# KiCad board SJ-201-R10.kicad_pcb
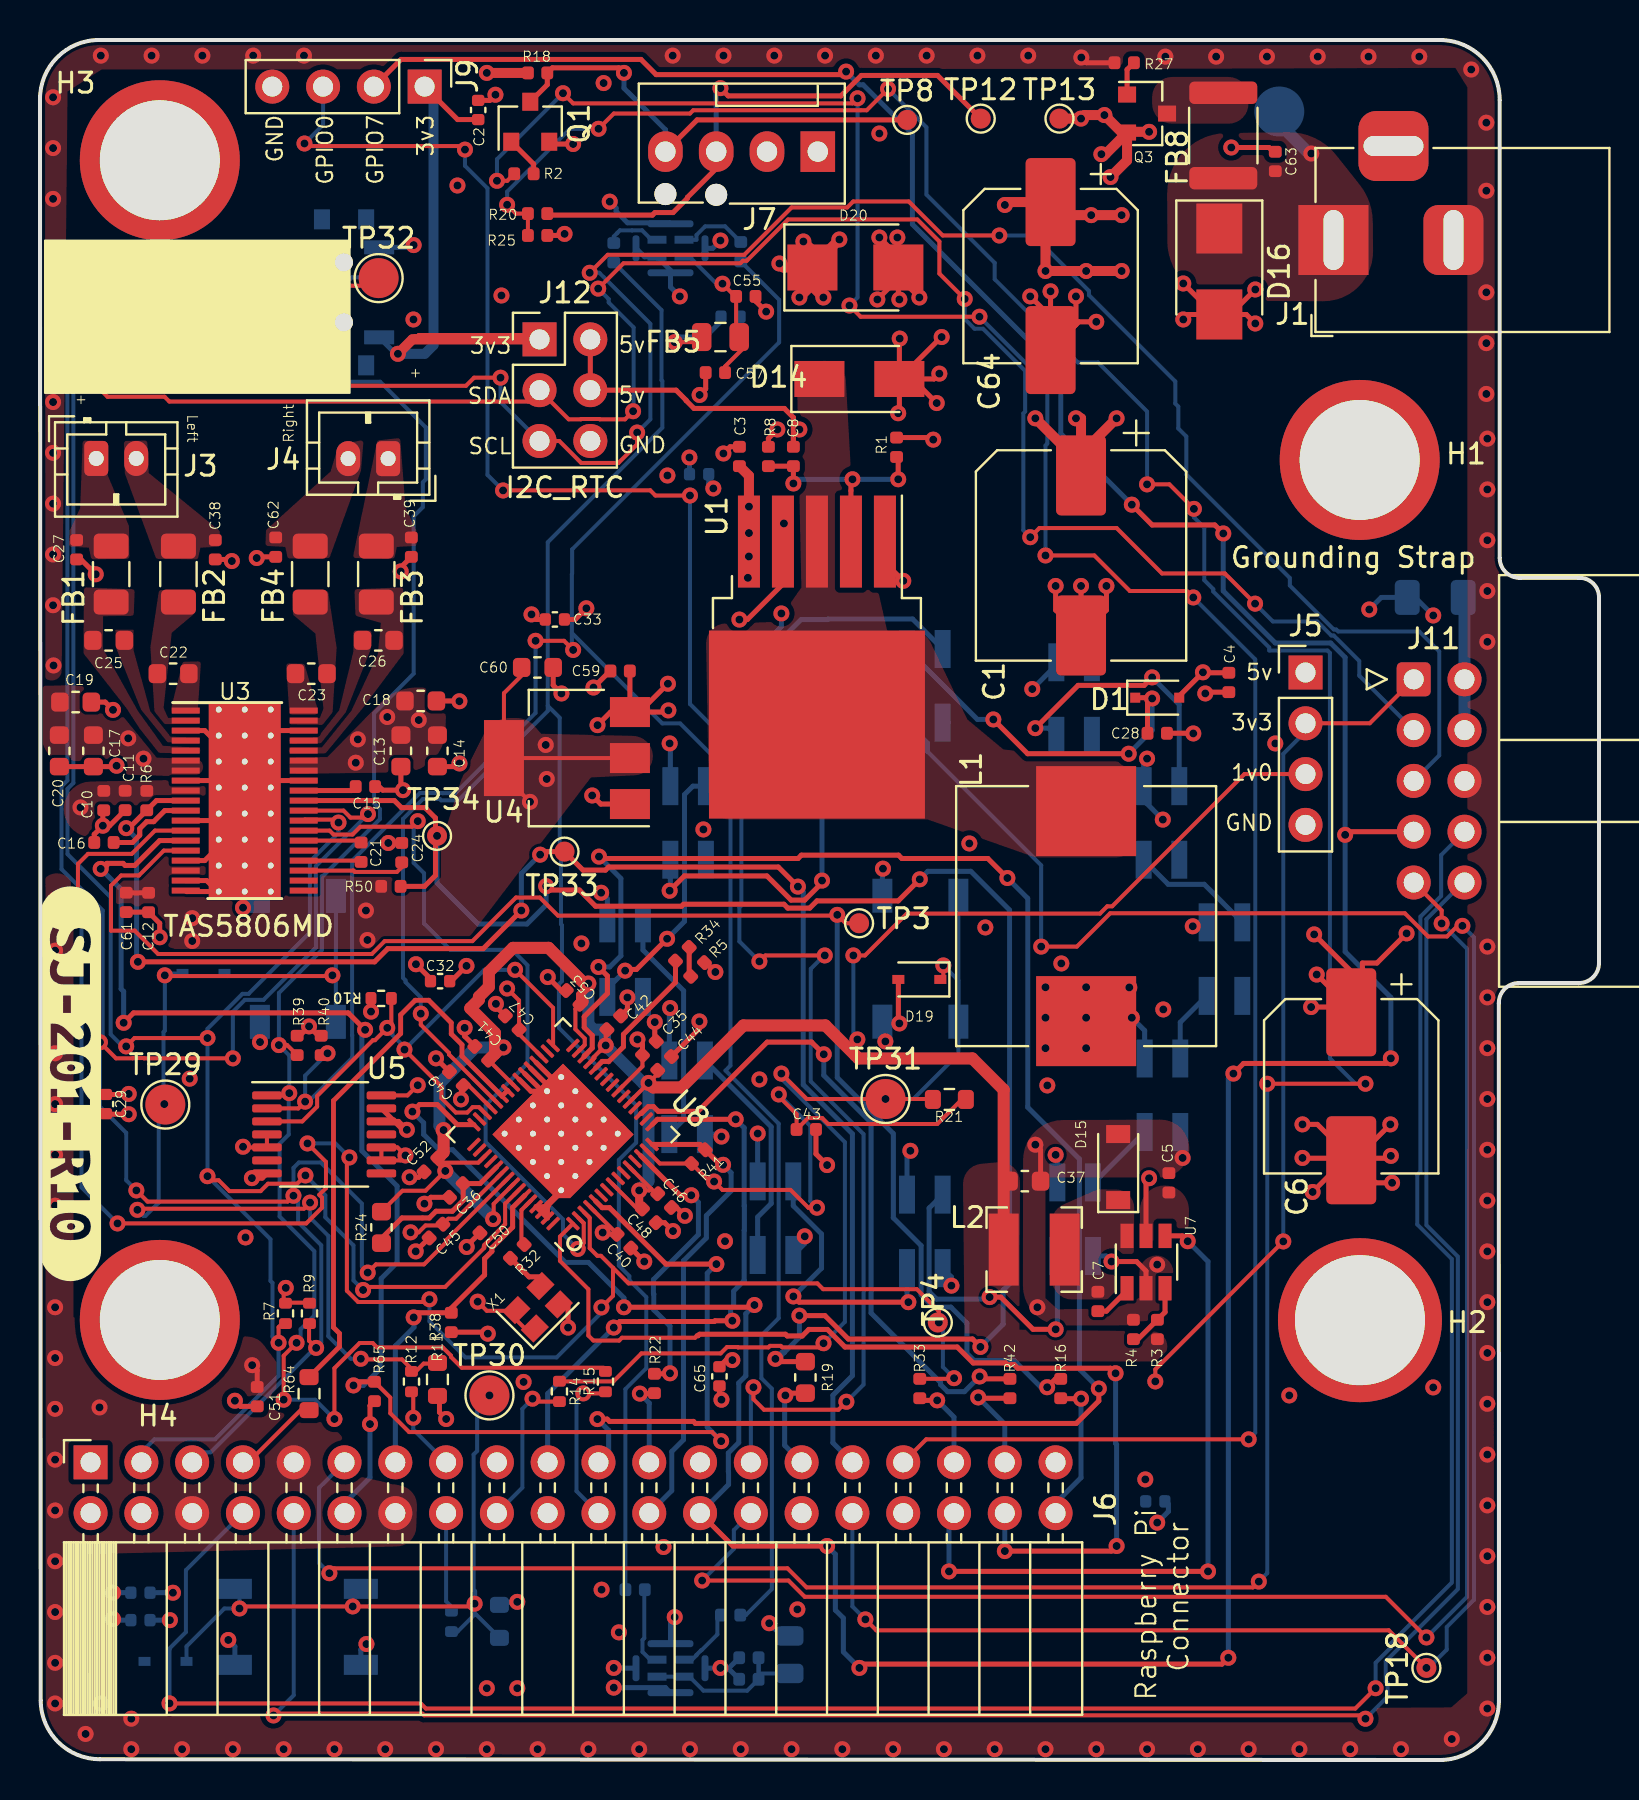
[diagram p0: board, top side]
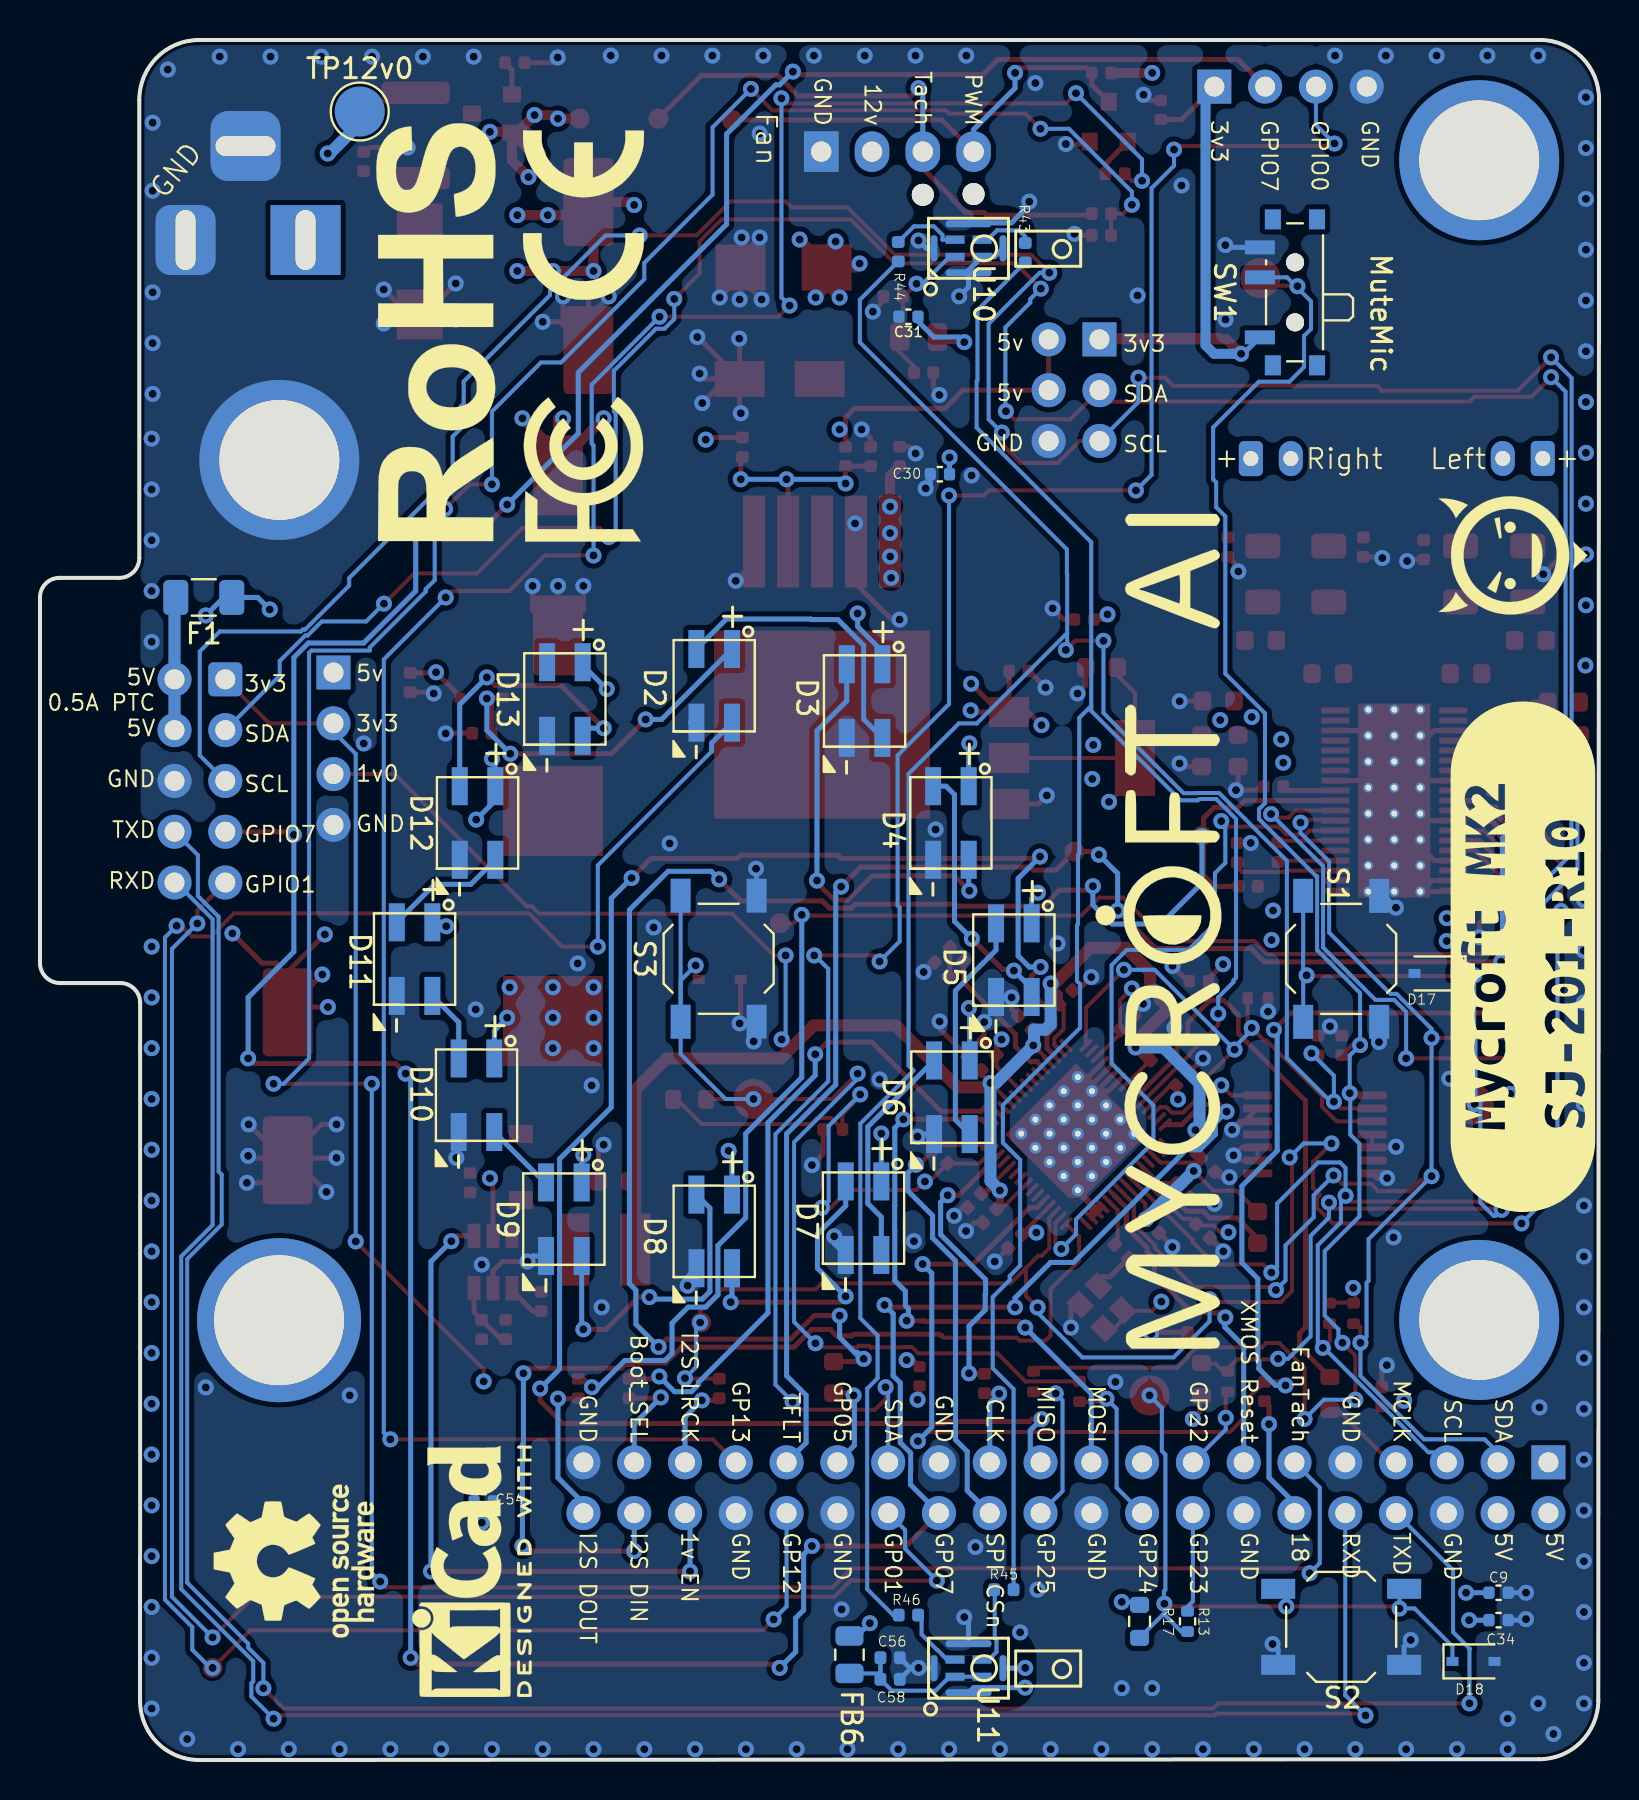
[diagram p1: board, bottom side, seen from below]

Outline 77.97 x 86.01 mm; copper layers: Top, In1.Cu (plane), In2.Cu (plane), Bottom. Coordinates in mm from the lower left corner of the outline.
Outline path: 0,83.04 0.04,2.97 arc(0.92,0.89) 3.01,0.04 70,0 arc(72.09,0.86) 72.96,2.94 72.96,37.85 arc(73.25,38.56) 73.96,38.85 76.96,38.85 arc(77.67,39.14) 77.97,39.85 77.97,58.16 arc(77.66,58.85) 76.96,59.11 74,59.11 arc(73.29,59.4) 73,60.11 73,83 arc(72.14,85.12) 70.02,86.01 2.94,86.01 arc(0.85,85.13) 0,83.04
Stack: Top 0.035mm / dielectric 0.48mm FR4 er 4.5 / In1.Cu 0.035mm / dielectric 0.48mm FR4 er 4.5 / In2.Cu 0.035mm / dielectric 0.48mm FR4 er 4.5 / Bottom 0.035mm

## Placement (name value [footprint] x y rotation side)
C1  220uF/50V  [CP_Elec_10x10]  52.06 60.23 270 top
C2  100NF  [C_0402_1005Metric]  21.91 82.51 90 top
C3  1uF  [C_0402_1005Metric]  34.98 65.18 90 top
C4  1uF  [C_0402_1005Metric]  59.46 53.88 270 top
C5  10UF  [C_0402_1005Metric]  56.46 28.86 270 top
C6  330uF/25V  [CP_Elec_8x10.5]  65.58 33.69 270 top
C7  10nF  [C_0402_1005Metric]  52.91 22.93 270 top
C8  33NF  [C_0402_1005Metric]  37.68 65.18 270 top
C9  100NF  [C_0402_1005Metric]  5.02 8.36 180 bottom
C10  4.7UF  [C_0402_1005Metric]  3.19 47.97 270 top
C11  100NF  [C_0402_1005Metric]  4.26 47.98 270 top
C12  100NF  [C_0402_1005Metric]  5.43 42.88 270 top
C13  22UF  [C_0603_1608Metric]  18.05 50.46 270 top
C14  22UF  [C_0603_1608Metric]  19.87 50.46 270 top
C15  1uF  [C_0402_1005Metric]  16.28 48.67 180 top
C16  1uF  [C_0402_1005Metric]  3.2 45.88 0 top
C17  100NF  [C_0603_1608Metric]  2.67 50.46 270 top
C18  100NF  [C_0603_1608Metric]  19.04 52.96 0 top
C19  22UF  [C_0603_1608Metric]  1.78 52.9 0 top
C20  22UF  [C_0603_1608Metric]  0.97 50.46 270 top
C21  1uF  [C_0402_1005Metric]  16.06 45.39 90 top
C22  220nF  [C_0603_1608Metric]  6.66 54.32 180 top
C23  220nF  [C_0603_1608Metric]  13.57 54.32 0 top
C24  1uF  [C_0402_1005Metric]  18.09 45.37 90 top
C25  220nF  [C_0603_1608Metric]  3.43 55.99 180 top
C26  220nF  [C_0603_1608Metric]  16.92 55.99 0 top
C27  1NF  [C_0402_1005Metric]  1.83 60.52 270 top
C28  100NF  [C_0402_1005Metric]  55.87 51.34 0 top
C29  100NF  [C_0402_1005Metric]  3.3 32.8 270 top
C30  100NF  [C_0402_1005Metric]  32.96 64.29 0 bottom
C31  100NF  [C_0402_1005Metric]  34.54 72.17 0 bottom
C32  100NF  [C_0402_1005Metric]  20.01 38.95 0 top
C33  100NF  [C_0402_1005Metric]  25.75 57.03 0 top
C34  1uF  [C_0402_1005Metric]  5.02 6.99 180 bottom
C35  100NF  [C_0402_1005Metric]  30.47 35.59 45 top
C36  100NF  [C_0402_1005Metric]  20.82 28.48 225 top
C37  22UF  [C_0603_1608Metric]  49.25 28.95 0 top
C38  1NF  [C_0402_1005Metric]  8.77 60.52 270 top
C39  1NF  [C_0402_1005Metric]  18.57 60.65 270 top
C40  100NF  [C_0402_1005Metric]  29.2 25.94 315 top
C41  100NF  [C_0402_1005Metric]  22.09 35.34 135 top
C42  100NF  [C_0402_1005Metric]  28.7 36.86 45 top
C43  100NF  [C_0402_1005Metric]  38.32 31.53 0 top
C44  100NF  [C_0402_1005Metric]  31.24 34.83 45 top
C45  100NF  [C_0402_1005Metric]  19.81 26.45 225 top
C46  100NF  [C_0402_1005Metric]  31.24 27.97 315 top
C47  100NF  [C_0402_1005Metric]  23.62 36.86 135 top
C48  100NF  [C_0402_1005Metric]  30.47 27.21 315 top
C49  100NF  [C_0402_1005Metric]  20.82 34.07 135 top
C50  100NF  [C_0402_1005Metric]  22.35 26.7 225 top
C51  100NF  [C_0402_1005Metric]  10.86 18.17 90 top
C52  100NF  [C_0402_1005Metric]  19.55 29.75 225 top
C53  100NF  [C_0402_1005Metric]  26.66 38.13 135 top
C54  100NF  [C_0402_1005Metric]  55.78 12.93 180 bottom
C55  1uF  [C_0402_1005Metric]  35.3 73.18 0 top
C56  1uF  [C_0402_1005Metric]  35.45 5.11 180 bottom
C57  100NF  [C_0402_1005Metric]  33.78 69.37 180 top
C58  100NF  [C_0402_1005Metric]  35.45 4.04 180 bottom
C59  10UF  [C_0402_1005Metric]  29.01 54.45 180 top
C60  22UF  [C_0603_1608Metric]  24.88 54.63 0 top
C61  1uF  [C_0402_1005Metric]  4.31 42.88 270 top
C62  1NF  [C_0402_1005Metric]  11.79 60.65 270 top
C63  100NF  [C_0402_1005Metric]  61.78 79.93 90 top
C64  470UF/16V  [CP_Elec_8x10.5]  50.54 74.2 270 top
C65  100NF  [C_0402_1005Metric]  33.98 19.18 270 top
D1  250mA/100V  [D_SOD-323F]  55.87 53.12 0 top
D2  WS2812B  [LED_WS2812_Mini_3.5x3.5mm_P1.1mm]  44.25 53.71 90 bottom
D3  WS2812B  [LED_WS2812_Mini_3.5x3.5mm_P1.1mm]  36.73 52.95 90 bottom
D4  WS2812B  [LED_WS2812_Mini_3.5x3.5mm_P1.1mm]  32.41 46.85 90 bottom
D5  WS2812B  [LED_WS2812_Mini_3.5x3.5mm_P1.1mm]  29.26 40 90 bottom
D6  WS2812B  [LED_WS2812_Mini_3.5x3.5mm_P1.1mm]  32.36 33.14 90 bottom
D7  WS2812B  [LED_WS2812_Mini_3.5x3.5mm_P1.1mm]  36.78 27.09 90 bottom
D8  WS2812B  [LED_WS2812_Mini_3.5x3.5mm_P1.1mm]  44.25 26.43 90 bottom
D9  WS2812B  [LED_WS2812_Mini_3.5x3.5mm_P1.1mm]  51.77 27.04 90 bottom
D10  WS2812B  [LED_WS2812_Mini_3.5x3.5mm_P1.1mm]  56.14 33.24 90 bottom
D11  WS2812B  [LED_WS2812_Mini_3.5x3.5mm_P1.1mm]  59.24 40.05 90 bottom
D12  WS2812B  [LED_WS2812_Mini_3.5x3.5mm_P1.1mm]  56.09 46.85 90 bottom
D13  WS2812B  [LED_WS2812_Mini_3.5x3.5mm_P1.1mm]  51.72 53.05 90 bottom
D14  D_Schottky  [D_SMA]  40.98 69.06 0 top
D15  D_Schottky  [D_SOD-123]  53.92 29.65 90 top
D16  TVS  [D_SMB]  58.98 74.43 270 top
D17  TVS  [D_SOD-323]  8.18 39.33 0 bottom
D18  TVS  [D_SOD-323]  6.28 4.93 180 bottom
D19  TVS  [D_SOD-323]  43.98 39.03 180 top
D20  TVS  [D_SMB]  40.78 74.63 0 top
F1  0.5A Hold, 1A Trip  [Fuse_1206_3216Metric]  69.78 58.13 0 bottom
FB1  FB  [R_1206_3216Metric]  3.56 59.3 270 top
FB2  FB  [R_1206_3216Metric]  6.92 59.3 270 top
FB3  FB  [R_1206_3216Metric]  16.82 59.3 270 top
FB4  FB  [R_1206_3216Metric]  13.52 59.3 270 top
FB5  1000R  [R_0805_2012Metric]  34.03 71.15 180 top
FB6  1000R  [R_0805_2012Metric]  37.48 5.27 90 bottom
FB8  4A 28mΩ  [R_1812_4532Metric]  59.18 81.23 90 top
H1  MountingHole  [MountingHole_6.0mm_Pad]  66 65.01 0 top
H2  MountingHole  [MountingHole_6.5mm_Pad]  66.01 21.99 0 top
H3  MountingHole  [MountingHole_6.0mm_Pad]  5.99 79.99 0 top
H4  MountingHole  [MountingHole_6.0mm_Pad]  5.99 22 0 top
H6  MountingHole  [simon-jestor-logo]  4.31 60.23 90 bottom
H7  MountingHole  [mycroft_logo_words]  21.84 41.69 90 bottom
H8  FCC  [FCC-Logo_7.3x6mm_SilkScreen]  50.79 64.55 90 bottom
H9  RoHS  [RoHS-Logo_6mm_SilkScreen]  58.18 71.41 90 bottom
H10  CE  [CE-Logo_8.5x6mm_SilkScreen]  50.79 77.25 90 bottom
H11  KiCAD  [KiCad-Logo2_5mm_SilkScreen]  56.38 9.43 90 bottom
J1  Barrel_Jack  [BarrelJack_Horizontal]  64.69 76 180 top
J3  SPK  [JST_PH_B2B-PH-K_1x02_P2.00mm_Vertical]  2.81 65.08 0 top
J4  SPK  [JST_PH_B2B-PH-K_1x02_P2.00mm_Vertical]  17.41 65.07 180 top
J5  PowerTP  [PinHeader_1x04_P2.54mm_Vertical]  63.29 54.38 0 top
J6  Raspberry_Pi_4  [PinSocket_2x20_P2.54mm_Horizontal]  2.53 14.88 90 top
J7  FanConnector  [FanPinHeader_1x04_P2.54mm_Vertical]  38.9 80.42 180 top
J9  Conn_01x04  [PinHeader_1x04_P2.54mm_Vertical]  19.24 83.68 270 top
J11  I2C  [IDC-Header_2x05_P2.54mm_Horizontal]  68.7 54.04 0 top
J12  I2C_RTC  [PinHeader_2x03_P2.54mm_Vertical]  24.98 71.04 0 top
kibuzzard-62E2EA28  G***  [kibuzzard-62E2EA28]  3.8 40.16 90 bottom
kibuzzard-62E2EE22  G***  [kibuzzard-62E2EE22]  1.52 33.81 270 top
L1  47uH  [L_Wuerth_HCI-1365]  52.32 42.2 270 top
L2  2.7uH ±30% 2.35A  [L_Bourns-SRN4018]  49.72 25.52 180 top
OpenHardware1  Logo_Open_Hardware_Small  [OSHW-Logo_7.5x8mm_SilkScreen]  65.27 9.94 90 bottom
Q1  MMBT3904  [SOT-23]  24.52 81.92 90 top
Q3  WST4041  [SOT-23]  55.37 82.33 0 top
R1  10k  [R_0402_1005Metric]  42.84 65.64 270 top
R2  4.7k  [R_0402_1005Metric]  24.2 79.31 180 top
R3  47k  [R_0402_1005Metric]  55.88 21.53 90 top
R4  200k  [R_0402_1005Metric]  54.68 21.53 270 top
R5  10R  [R_0402_1005Metric]  32.89 39.53 45 top
R6  120k  [R_0402_1005Metric]  5.34 47.97 270 top
R7  3.3K  [R_0402_1005Metric#2]  12.28 22.33 90 top
R8  3.3K  [R_0402_1005Metric]  36.43 65.18 270 top
R9  3.3K  [R_0402_1005Metric#2]  13.48 22.33 90 top
R10  47k  [R_0402_1005Metric#2]  17.06 38.08 180 top
R11  470R  [R_0603_1608Metric#2]  19.88 19.03 90 top
R12  3.3K  [R_0402_1005Metric#2]  18.58 18.92 90 top
R13  3.3K  [R_0402_1005Metric#2]  20.58 6.93 270 bottom
R14  3.3K  [R_0402_1005Metric#2]  25.98 18.43 90 top
R15  3.3K  [R_0402_1005Metric#2]  28.28 18.92 90 top
R16  33R  [R_0402_1005Metric]  51.05 18.57 90 top
R17  470R  [R_0603_1608Metric#2]  22.98 6.93 270 bottom
R18  4.7k  [R_0402_1005Metric]  24.89 84.36 0 top
R19  470R  [R_0603_1608Metric]  38.28 19.13 270 top
R20  27k  [R_0402_1005Metric]  24.89 77.32 0 top
R21  470R  [R_0603_1608Metric#2]  45.48 33.03 180 top
R22  330R  [R_0402_1005Metric]  30.73 18.83 270 top
R24  4R7  [R_0603_1608Metric]  17.08 26.63 90 top
R25  10k  [R_0402_1005Metric]  24.89 76.23 0 top
R27  100k  [R_0402_1005Metric]  54.22 84.87 180 top
R32  33R  [R_0402_1005Metric]  23.87 25.43 225 top
R33  33R  [R_0402_1005Metric]  44 18.57 90 top
R34  33R  [R_0402_1005Metric]  32.12 40.29 45 top
R38  10k  [R_0402_1005Metric]  20.57 21.88 270 top
R39  10k  [R_0402_1005Metric]  12.86 35.73 90 top
R40  47K  [R_0402_1005Metric]  14.06 35.73 270 top
R41  4.7k  [R_0402_1005Metric]  32.92 30.17 225 top
R42  4.7k  [R_0402_1005Metric]  48.51 18.57 270 top
R43  100R  [R_0402_1005Metric]  28.7 75.37 90 bottom
R44  100R  [R_0402_1005Metric]  35.05 75.42 90 bottom
R45  100R  [R_0402_1005Metric]  29.76 8.52 0 bottom
R46  100R  [R_0402_1005Metric]  34.54 7.25 180 bottom
R50  10k  [R_0402_1005Metric]  17.55 43.69 0 top
R64  470R  [R_0603_1608Metric#2]  13.46 18.32 270 top
R65  33R  [R_0402_1005Metric]  16.73 18.43 90 top
S1  Button  [SW_SPST_TL3342]  12.9 40.06 90 bottom
S2  Button  [SW_SPST_TL3342]  12.9 6.66 180 bottom
S3  Button  [SW_SPST_TL3342]  44.03 40.07 90 bottom
SW1  MuteMic  [SW_SPDT_PCM12]  15.53 73.39 90 bottom
TP3  TestPoint  [TestPoint_Pad_D1.0mm]  40.96 41.84 0 top
TP4  TestPoint  [TestPoint_Pad_D1.0mm]  44.9 21.88 270 top
TP8  TestPoint  [TestPoint_Pad_D1.0mm]  43.36 82.01 0 top
TP12  TestPoint  [TestPoint_Pad_D1.0mm]  47.05 82.07 0 top
TP12v0  TestPoint  [TestPoint_Pad_D2.5mm]  61.98 82.43 180 bottom
TP13  TestPoint  [TestPoint_Pad_D1.0mm]  50.98 82.07 0 top
TP18  TestPoint  [TestPoint_Pad_D1.0mm]  69.34 4.6 90 top
TP29  TestPoint  [TestPoint_Pad_D2.0mm]  6.27 32.77 0 top
TP30  TestPoint  [TestPoint_Pad_D2.0mm]  22.48 18.23 0 top
TP31  TestPoint  [TestPoint_Pad_D2.0mm]  42.28 33.05 0 top
TP32  TestPoint  [TestPoint_Pad_D2.0mm]  16.94 74.1 0 top
TP33  TestPoint  [TestPoint_Pad_D1.0mm]  26.23 45.42 0 top
TP34  TestPoint  [TestPoint_Pad_D1.0mm]  19.86 46.21 0 top
U1  XL4501E1  [TO-263-5_TabPin3]  38.86 55.15 270 top
U3  TAS5806MD  [TAS5806MDDCPR]  10.24 47.97 0 top
U4  AMS1117-3.3  [SOT-223-3_TabPin2]  26.35 50.1 180 top
U5  SN74LVC125APWR  [TSSOP-14_4.4x5mm_P0.65mm]  14.21 31.28 0 top
U7  MP2359  [TSOT-23-6]  55.31 24.9 90 top
U8  XMOS-XVF3510  [QFN-60-1EP_7x7mm_P0.4mm_EP5.6x5.6mm]  26.16 31.27 135 top
U10  SPK0641HT4H-1  [HCLGA-MP34DT05]  31.53 75.59 270 bottom
U11  SPK0641HT4H-1  [HCLGA-MP34DT05]  31.53 4.59 270 bottom
X1  24MHz  [Oscillator_SMD_SeikoEpson_SG210-4Pin_2.5x2.0mm]  24.89 22.64 45 top

## Library data of the parts
C1 = -: LCSC: C134732; Link: https://datasheet.lcsc.com/szlcsc/Lelon-VE-221M1HTR-1010_C134732.pdf; MPN: VE-221M1HTR-1010; Vendor: LCSC
C2 C9 C11 C12 C28-C33 C35 C36 C40-C54 C57 C58 C63 C65 = -: LCSC: C1525; MPN: CC0402KRX7R8BB104; SKU: 302010024
C3 C4 C15 C16 C21 C24 C34 C55 C56 C61 = -: LCSC: C52923; MPN: CL05A105KA5NQNC
C5 C59 = -: LCSC: C15525; MPN: CC0402MRX5R5BB106; SKU: 302010053
C6 = -: LCSC: C286135; MPN: RVT1E331M0810; Tempo: 25TKV330M8X10.5
C7 = -: LCSC: C15195; MPN: CL05B103KB5NNNC
C8 = -: LCSC: C1585; MPN: GRM155R71A333KA01D
C10 = -: LCSC: C23733; MPN: CL05A475MP5NRNC
C13 C14 C19 C20 = -: LCSC: C59461; MPN: CL10A226MQ8NRNC
C17 C18 = -: LCSC: C14663; MPN: CC0603KRX7R9BB104
C22 C23 C25 C26 = -: LCSC: C21120; MPN: CL10B224KA8NNNC
C27 C38 C39 C62 = -: LCSC: C1523; MPN: 0402B102K500NT
C37 C60 = -: LCSC: C59461; MPN: CL10A226MQ8NRNE
C64 = -: LCSC: C176671; MPN: SMD CAP Aluminum 470uF-16V;D8.0*H10.2mm; SKU: 302030006; Tempo: EEE-1CA471UP
D1 = -: LCSC: C2128; MPN: 1N4148WSF-7
D2 = -: LCSC: C527089; MPN: WS2812B-Mini
D3-D13 = -: LCSC: C527089; Link: https://lcsc.com/product-detail/Others_WS2812B-Mini-WS2812B-3535_C189639.html; MPN: WS2812B-MINI(WS2812B-3535)
D14 = -: LCSC: C22452; MPN: SS54F; Tempo: SS54-HF
D15 = -: LCSC: C8598; MPN: B5819W; Tempo: B5819W-TP
D16 D20 = -: LCSC: C78408
D17-D19 = -: LCSC: C139297
F1 = -: LCSC: C163512; PN: 1206L050YR
FB1-FB4 = -: LCSC: C29107; MPN: MLB3216-301P3A(f); Tempo: BK32164S301-T
FB5 = -: LCSC: C1017; MPN: MPZ1608S102ATA00
FB6 = -: LCSC: C1017; MPN: MMZ1608Y601BTA00; PartNum: MPZ1608S102ATA00
FB8 = -: LCSC: C92881; MPN: FBMH4532HM681-T; Value2: 680Ω@100MHz
H1-H4 H6-H11 J9 J12 OpenHardware1 TP3 TP4 TP8 TP12 TP12v0 TP13 TP18 TP29-TP34 = -: MPN: DNP
J1 = -: LCSC: C381116; Link: https://lcsc.com/product-detail/Power-Connectors_XKB-Connectivity-DC-012-5A-2-0_C381117.html; MPN: DC-005-5A-2.0
J3 J4 = -: LCSC: C131337; MPN: B2B-PH-K-S(LF)(SN)
J5 = -: LCSC: DNP; MPN: DNP
J6 = -: Description: 2X20 PIN 2.54MM DOUBLE ROW RIGHT ANGLE FEMALE PIN HEADER; Link: https://www.taydaelectronics.com/connectors-sockets/2x20-pin-2-54mm-dounle-row-right-angle-female-pin-header.html; MPN: FH412-2*20P 0.8U
J7 = -: LCSC: C402775; MPN: 744-81-04TG1B
J11 = -: LCSC: C9140; MPN: C9140; url: https://lcsc.com/product-detail/span-style-background-color-ff0-IDC-span-Connectors_BOOMELE-Boom-Precision-Elec-C9140_C9140.html
L1 = -: LCSC: C497913; Link: https://lcsc.com/product-detail/Power-Inductors_YJYCOIN-YSPI1365-470M_C497913.html; MPN: YSPI1365-470M
L2 = -: Link: https://www.digikey.com/en/products/detail/SRR4028-2R7Y/SRR4028-2R7YCT-ND/2127503; MPN: SRR4028-2R7Y
Q1 = -: LCSC: C382281; Link: https://lcsc.com/product-detail/New-Arrivals_KEXIN-MMBT3904_C382281.html
Q3 = -: Description: 40V 6A; LCSC: C148357
R1 R25 R38 R39 R50 = -: LCSC: C25744; MPN: RC0402FR-0710KL
R2 R18 R41 R42 = -: LCSC: C25900; MPN: 0402WGF4701TCE; Tempo: RC0402JR-074K7L
R3 R10 = -: LCSC: C25792; MPN: 0402WGF4702TCE
R4 = -: LCSC: C25764; MPN: 0402WGF2003TCE
R5 = -: LCSC: C25077; MPN: 0402WGF100JTCE; Tempo: ERJ-2RKF10R0X
R6 = -: LCSC: C25750; MPN: 0402WGF1203TCE
R7-R9 R12-R15 = -: LCSC: C25890; MPN: 0402WGF3301TCE; Tempo: RC0402FR-073K3L
R11 R17 R19 R21 R64 = -: LCSC: C23179; MPN: 0603WAF4700T5E
R16 R32-R34 R65 = -: LCSC: C25105; MPN: 0402WGF330JTCE; Tempo: RC0402FR-0733RL
R20 = -: LCSC: C25771; MPN: 0402WGF2702TCE
R22 = -: LCSC: C25104; MPN: RC0402FR-07330RL; SKU: 301010466
R24 = -: LCSC: C23164; MPN: RC0402FR-074R7L
R27 = -: LCSC: C25741; MPN: RC0402JR-07100KL; SKU: 301010033; Tempo: ERJ-2GEJ104X
R40 = -: LCSC: C25792; MPN: RC0402JR-0747KL
R43-R46 = -: LCSC: C25076; MPN: 0402WGF1000TCE; Tempo: RC0402FR-07100RL
S1 = -: Description: SWITCH TACTILE SPST-NO 0.05A 12V; Digikey: EG2531TR-ND; LCSC: C318884; Link: https://www.digikey.com/product-detail/en/e-switch/TL3342F160QG-TR/EG2531CT-ND/379004; MPN: TL3342F160QG/TR
S2 = -: Description: SWITCH TACTILE SPST-NO 0.05A 12V; Digi-Key_PN: EG2531TR-ND; Digikey: EG2531TR-ND; LCSC: C318884; Link: https://www.digikey.com/product-detail/en/e-switch/TL3342F160QG-TR/EG2531CT-ND/379004; MPN: TL3342F160QG/TR
S3 = -: Digi-Key_PN: EG2531TR-ND; Digikey: EG2531TR-ND; LCSC: C318884; Link: https://www.digikey.com/product-detail/en/e-switch/TL3342F160QG-TR/EG2531CT-ND/379004; MPN: TL3342F160QG/TR
SW1 = -: Digikey: 401-2016-2-ND; LCSC: C221841; MPN: PCM12SMTR
U1 = -: LCSC: C73025; Link: https://lcsc.com/product-detail/DC-DC-Converters_XLSEMI-XL4501E1_C73025.html
U3 = -: Link: https://www.mouser.com/ProductDetail/Texas-Instruments/TAS5806MDDCPR/?qs=%2Fha2pyFaduigxsDhAowbK%252B5b3Ou7K%252B70UfK8iXsUtzqr1E9I6v81Xw%3D%3D; MPN: TAS5806MDDCPR
U4 = -: LCSC: C6186; Link: https://lcsc.com/product-detail/Dropout-Regulators-LDO_ON-Semiconductor-ON-NCP565ST12T3G_C556400.html
U5 = -: LCSC: C7813
U7 = -: LCSC: C14259; Link: https://www.mouser.com/ProductDetail/Monolithic-Power-Systems-MPS/MP2359DJ-LF-Z/?qs=rC7bBWoQAAkgAaURxgQSyA%3D%3D; MPN: MP2359DJ-LF-Z
U8 = -: Link: https://www.digikey.com/products/en/integrated-circuits-ics/audio-special-purpose/741?k=XVF3510; MPN: XVF3510-QF60-C
U10 U11 = -: Digikey: 423-1425-1-ND; Link: https://www.digikey.com/product-detail/en/knowles/SPK0641HT4H-1/423-1425-1-ND/8573351
X1 = -: LCSC: C252326; Link: https://lcsc.com/product-detail/Oscillators_SJK-SHENZHEN-CRYSTAL-TECH-2N24000G33YC_C252326.html; MPN: 2N24000G33YC

## Footprints (pads in the part's own frame, mm; a bottom-side part is the same pattern mirrored in y, then rotated)
BarrelJack_Horizontal
  rect 3.5x3.5 hole 1x3: 1(0,0)
  rrect 3x3.5 hole 1x3: 2(-6,0)
  rrect 3.5x3.5 hole 3x1: 3(-3,-4.7)
C_0402_1005Metric
  rrect 0.59x0.64 smd: 1(-0.485,0) 2(0.485,0)
C_0603_1608Metric
  rrect 0.875x0.95 smd: 1(-0.787,0) 2(0.787,0)
CP_Elec_8x10.5
  rrect 4.4x2.5 smd: 1(-3.7,0) 2(3.7,0)
CP_Elec_10x10
  rrect 4x2.5 smd: 1(-4,0) 2(4,0)
D_SMA
  rect 2.5x1.8 smd: 1(-2,0) 2(2,0)
D_SMB
  rect 2.5x2.3 smd: 1(-2.15,0) 2(2.15,0)
D_SOD-123
  rect 0.9x1.2 smd: 1(-1.65,0) 2(1.65,0)
D_SOD-323
  rect 0.6x0.45 smd: 1(-1.05,0) 2(1.05,0)
D_SOD-323F
  rect 0.5x0.5 smd: 1(-1.1,0) 2(1.1,0)
FanPinHeader_1x04_P2.54mm_Vertical
  round 1.1 hole 1.1 unplated: (5.08,2.16) (7.62,2.123)
  rect 1.73x2.03 hole 1.02: 1(0,0)
  oval 1.73x2.03 hole 1.02: 2(2.54,0) 3(5.08,0) 4(7.62,0)
Fuse_1206_3216Metric
  rrect 1.25x1.75 smd: 1(-1.4,0) 2(1.4,0)
HCLGA-MP34DT05
  rect 0.4x0.95 smd: CLK(-0.425,0.675) DOUT(-0.425,-0.675) LR(0.425,0.675) VDD(0.425,-0.675)
  rrect 1.3x0.35 smd: GND(0,-1.725) GND2(0,1.725)
  rrect 0.35x2.3 smd: GND1(-1.225,0) GND3(1.225,0)
IDC-Header_2x05_P2.54mm_Horizontal
  rrect 1.7x1.7 hole 1: 1(0,0)
  round 1.7 hole 1: 2(2.54,0) 3(0,-2.54) 4(2.54,-2.54) 5(0,-5.08) 6(2.54,-5.08) 7(0,-7.62) 8(2.54,-7.62) 9(0,-10.16) 10(2.54,-10.16)
JST_PH_B2B-PH-K_1x02_P2.00mm_Vertical
  rrect 1.2x1.75 hole 0.75: 1(0,0)
  oval 1.2x1.75 hole 0.75: 2(2,0)
L_Bourns-SRN4018
  rect 1.5x3.6 smd: 1(-1.525,0) 2(1.525,0)
L_Wuerth_HCI-1365
  rect 4.5x5 smd: 1(-5.25,0) 2(5.25,0)
LED_WS2812_Mini_3.5x3.5mm_P1.1mm
  rect 1.9x0.8 smd: 1(1.84,-0.89) 2(1.84,0.89) 3(-1.84,0.89) 4(-1.84,-0.89)
MountingHole_6.0mm_Pad
  round 8 hole 6: 1(0,0)
MountingHole_6.5mm_Pad
  round 8.2 hole 6.5: 1(0,0)
Oscillator_SMD_SeikoEpson_SG210-4Pin_2.5x2.0mm
  rect 1.1x0.9 smd: 1(-0.85,-0.65) 2(0.85,-0.65) 3(0.85,0.65) 4(-0.85,0.65)
PinHeader_1x04_P2.54mm_Vertical
  rect 1.7x1.7 hole 1: 1(0,0)
  oval 1.7x1.7 hole 1: 2(0,-2.54) 3(0,-5.08) 4(0,-7.62)
PinHeader_2x03_P2.54mm_Vertical
  rect 1.7x1.7 hole 1: 1(0,0)
  oval 1.7x1.7 hole 1: 2(2.54,0) 3(0,-2.54) 4(2.54,-2.54) 5(0,-5.08) 6(2.54,-5.08)
PinSocket_2x20_P2.54mm_Horizontal
  rect 1.7x1.7 hole 1: 1(0,0)
  oval 1.7x1.7 hole 1: 2(-2.54,0) 3(0,-2.54) 4(-2.54,-2.54) 5(0,-5.08) 6(-2.54,-5.08) 7(0,-7.62) 8(-2.54,-7.62) 9(0,-10.16) 10(-2.54,-10.16) 11(0,-12.7) 12(-2.54,-12.7) 13(0,-15.24) 14(-2.54,-15.24) 15(0,-17.78) 16(-2.54,-17.78) 17(0,-20.32) 18(-2.54,-20.32) 19(0,-22.86) 20(-2.54,-22.86) 21(0,-25.4) 22(-2.54,-25.4) 23(0,-27.94) 24(-2.54,-27.94) 25(0,-30.48) 26(-2.54,-30.48) 27(0,-33.02) 28(-2.54,-33.02) 29(0,-35.56) 30(-2.54,-35.56) 31(0,-38.1) 32(-2.54,-38.1) 33(0,-40.64) 34(-2.54,-40.64) 35(0,-43.18) 36(-2.54,-43.18) 37(0,-45.72) 38(-2.54,-45.72) 39(0,-48.26) 40(-2.54,-48.26)
QFN-60-1EP_7x7mm_P0.4mm_EP5.6x5.6mm
  rrect 1.05x1.05 smd: (-1.95,1.95) (-1.95,0.65) (-1.95,-0.65) (-1.95,-1.95) (-0.65,1.95) (-0.65,0.65) (-0.65,-0.65) (-0.65,-1.95) (0.65,1.95) (0.65,0.65) (0.65,-0.65) (0.65,-1.95) (1.95,1.95) (1.95,0.65) (1.95,-0.65) (1.95,-1.95)
  rrect 0.825x0.2 smd: 1(-3.5,2.8) 2(-3.5,2.4) 3(-3.5,2) 4(-3.5,1.6) 5(-3.5,1.2) 6(-3.5,0.8) 7(-3.5,0.4) 8(-3.5,0) 9(-3.5,-0.4) 10(-3.5,-0.8) 11(-3.5,-1.2) 12(-3.5,-1.6) 13(-3.5,-2) 14(-3.5,-2.4) 15(-3.5,-2.8) 31(3.5,-2.8) 32(3.5,-2.4) 33(3.5,-2) 34(3.5,-1.6) 35(3.5,-1.2) 36(3.5,-0.8) 37(3.5,-0.4) 38(3.5,0) 39(3.5,0.4) 40(3.5,0.8) 41(3.5,1.2) 42(3.5,1.6) 43(3.5,2) 44(3.5,2.4) 45(3.5,2.8)